# Altium PCB WhiteRHINO_0v1.PcbDoc (part 6 of 10) (continued)
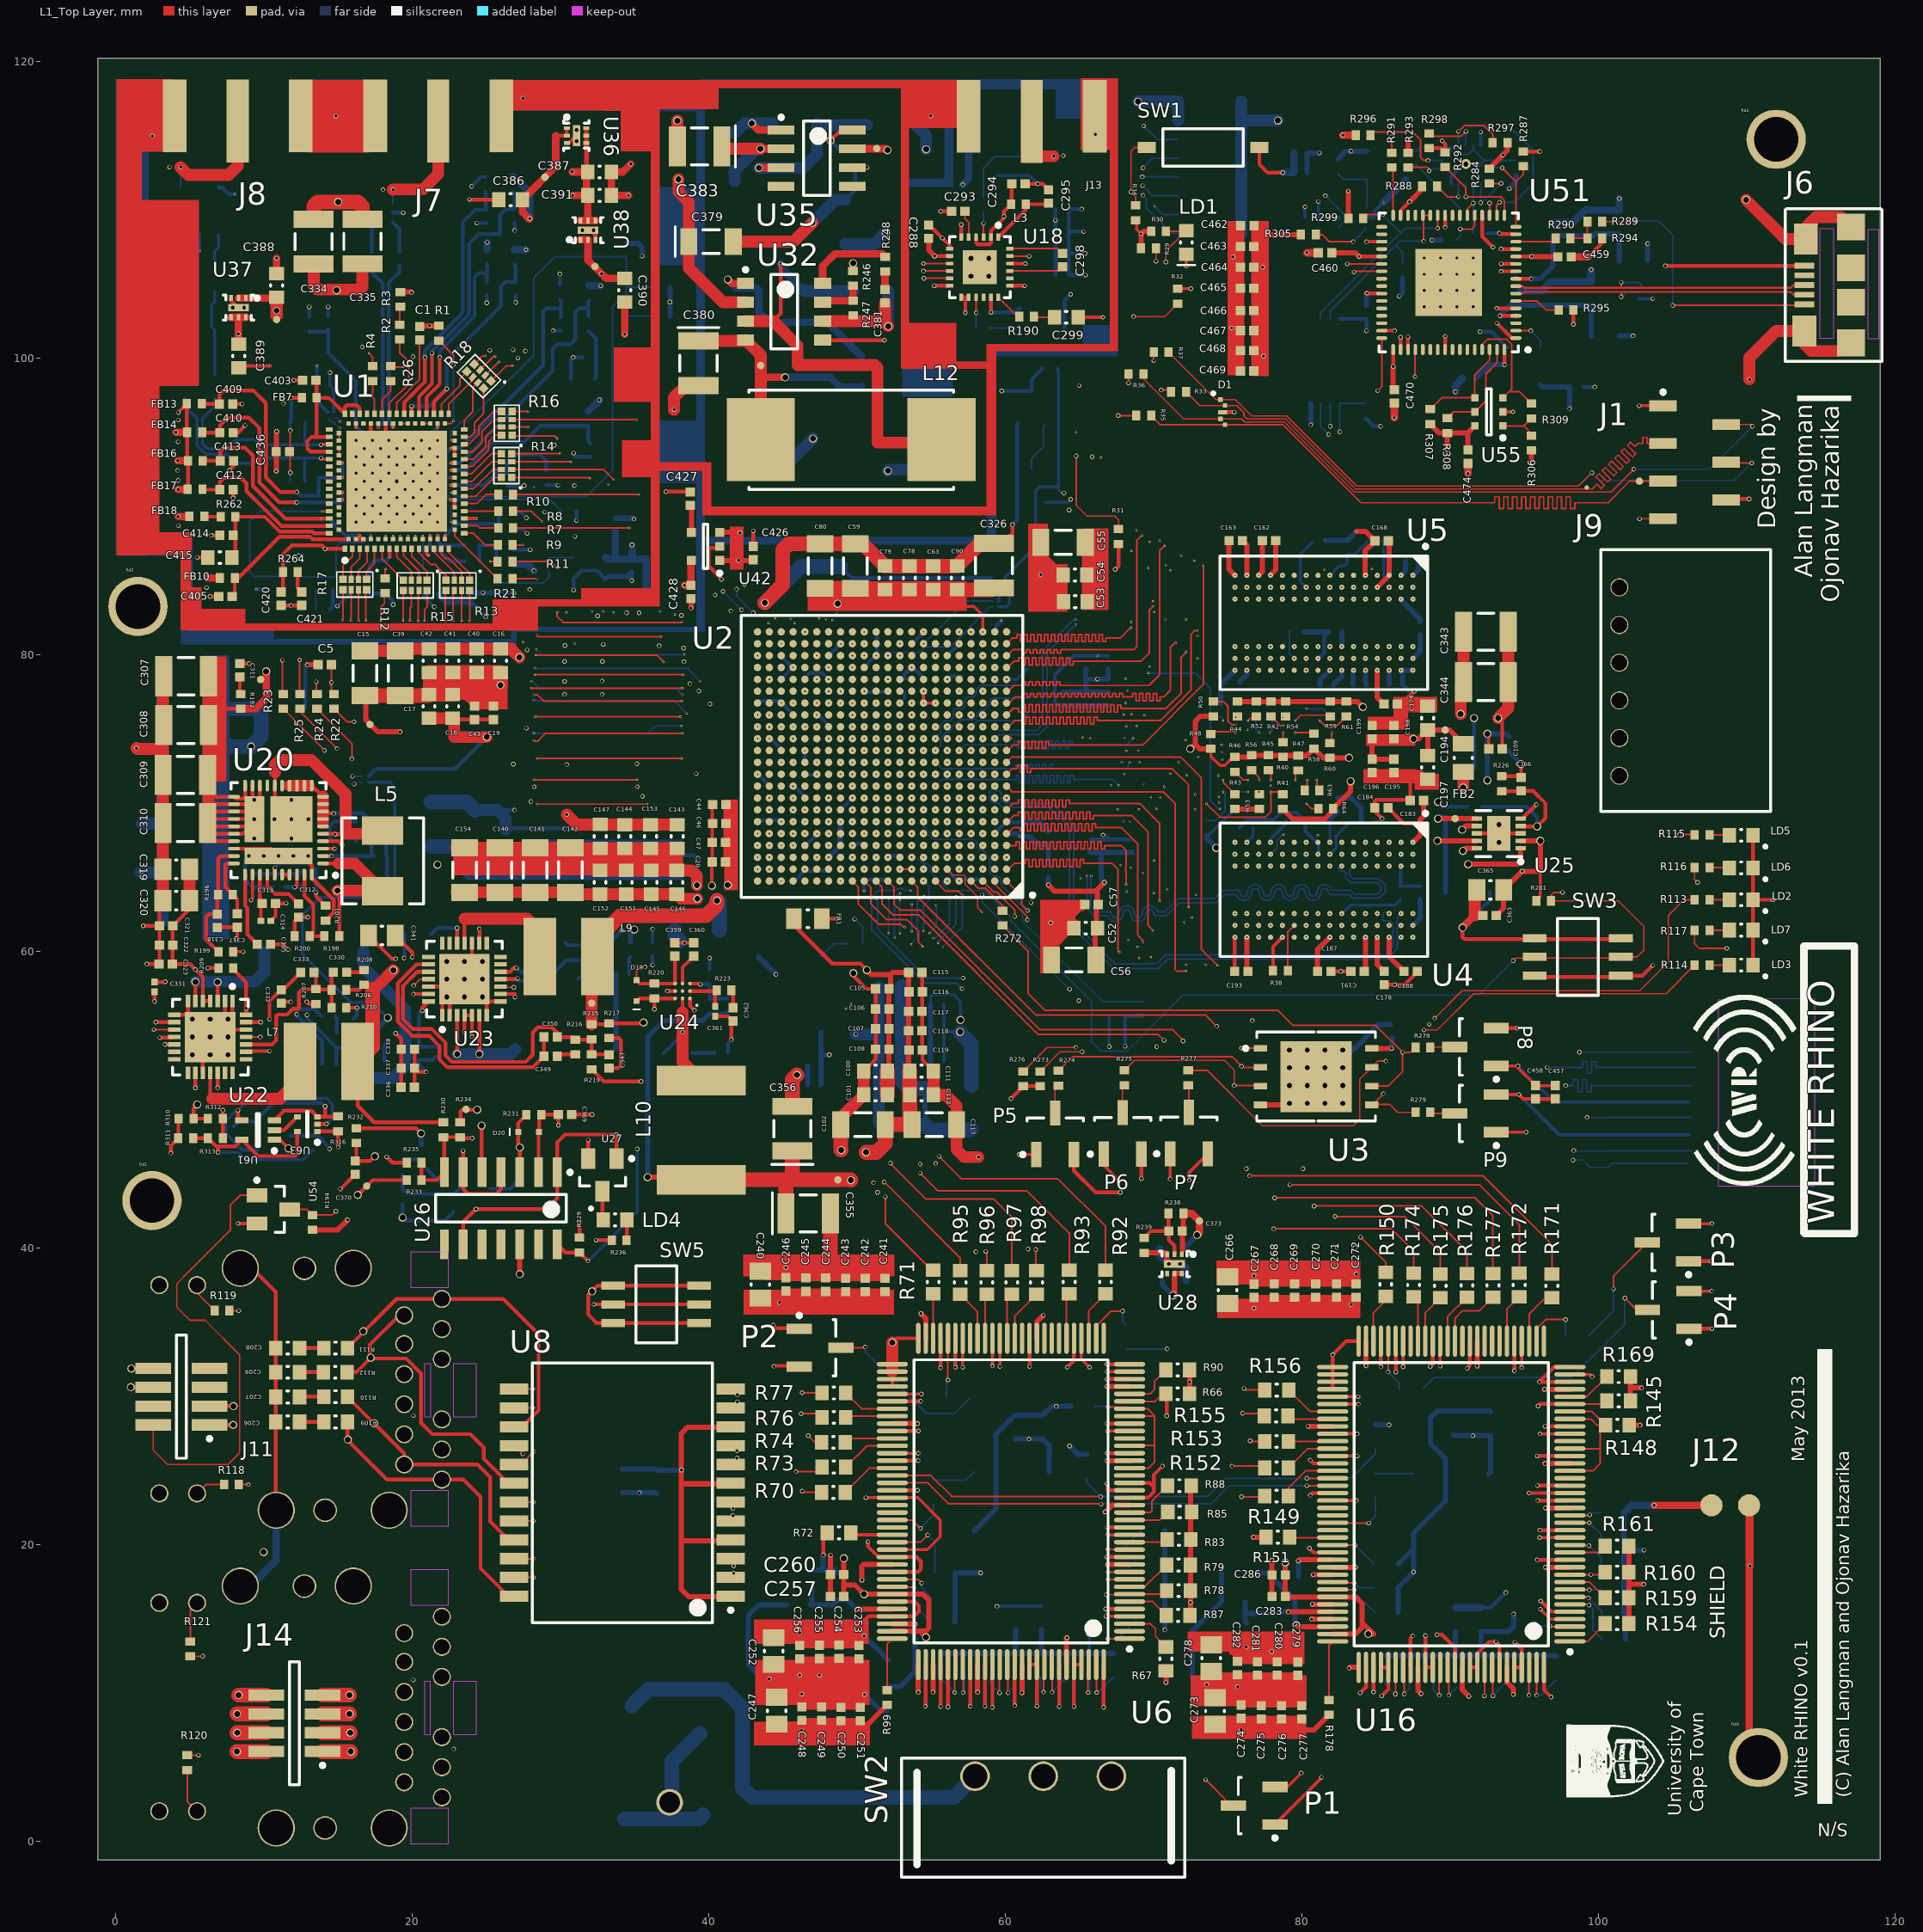
[diagram p0: L1_Top Layer view]
## Nets (pads, with @x,y where several pads share a name; then routed paths per layer and width w, separated by ;. In a path a pad name is that pad's centre, name@x,y a point inside that pad or via, vN(x,y) a via of type N, cw(c..) or ccw(c..) an arc to the next point about the centre after c; other vN are vias at no path point) (continued)
  L1_Top Layer w0.5: v3(2.5,114.95) 2.5,115.398 1.599,116.299 J8.G@4,116.299 ; C388.1@10.875,105.675 v2(10.875,106.7) ; J8.G@12.5,116.299 v3(14.875,116.299) J7.G@17.525,116.299 ; v12(18.981,91.662) v6(21.731,88.912) ; J7.G@26.025,116.299 27.226,117.5 v3(27.475,117.5) ; v2(34.35,101.575) C390.1@34.35,103.75 ; v2(34.6,110.95) C391.1@33.45,110.95 C387.1@33.45,112.525 34.225,112.525 v2(34.75,113.05) ; 56.35,116.299 v3(54.999,116.299) 55.024,116.274 J13.G@57.55,116.274 ; J13.G@66.05,115.099 J13.G@66.05,116.274 ; C469.1@75.875,99.1 75.882,99.107 C462.1@75.882,108.905 ; v2(80.35,107.075) C460.1@81.125,107.075 ; v2(82.775,115) R296.1@83.65,115 ; v2(86.25,95.95) C470.1@86.25,96.95 ; v4(90.85,61.575) 91.675,62.4 C363.1@92.225,62.4 ; v2(91.225,92.2) C474.1@91.225,92.875 ; C459.1@98.175,106.8 v2(99.325,106.8) ; v3(103.775,22.625) J12.2@107.635,22.625
  L1_Top Layer w0.8: v3(1.425,73.675) 1.475,73.625 3.2,73.625 ; C320.1@3.2,63.4 C319.1@3.2,65.497 ; C319.1@3.201,65.498 C319.1@3.2,65.497 ; C307.1@3.275,78.525 3.2,78.45 3.2,73.625 ; U20.14@11.75,71.15 U20.13@12.25,71.15 U20.12@12.75,71.15 13.05,71.15 12.975,71.15 ; C334.1@13.375,106.325 13.375,104.825 13.6,104.6 16.5,104.6 16.661,104.761 C335.1@16.661,106.333 ; 14,68.65 U20.7@14,68.9 U20.8@14,69.4 U20.9@14,69.9 U20.10@14,70.4 ; C15.1@16.825,80.225 C39.1@19.2,80.225 19.35,80.375 C16.1@25.975,80.375 26.725,80.375 26.725,80.325 v4(27.25,79.8) ; C17.1@21.15,75.7 C18.1@22.75,75.7 22.85,75.6 22.85,74.425 v4(25.05,74.425) ; C154.1@23.009,63.953 C142.1@30.684,63.953 30.809,63.828 C152.1@32.686,63.828 C151.1@34.447,63.828 C145.1@36.134,63.828 C146.1@37.859,63.828 38.162,63.525 v4(39.25,63.525) ; v3(30.45,69.2) 31.125,68.525 C147.1@32.7,68.525 37.888,68.525 C143.1@37.891,68.522 ; v3(37.675,96.5) 37.675,97.325 C380.2@38.475,98.125 ; C383.2@37.9,114.25 v4(37.9,115.975) ; C379.2@41.675,107.825 45.725,107.825 v4(47,109.1) ; U32.6@47.7,102.465 51.785,102.465 51.9,102.35 ; C102.1@48.92,48.3 48.92,48.75 C101.1@50.47,50.3 C100.1@50.47,51.9 ; C381.1@51.9,103.7 51.9,102.35 ; v4(52.124,102.126) 51.9,102.35 ; U6.66@52.398,31.637 U6.65@52.398,32.137 v4(52.398,33.602) ; C111.1@55.175,51.9 C112.1@55.175,50.3 56,50.3 56.725,49.575 C113.1@56.725,48.3 56.725,46.625 57.25,46.1 v3(58.2,46.1) ; C278.1@73.9,13.225 75.175,13.225 75.675,12.725 ; 91.675,62.4 91.675,63.975 C365.1@91.825,64.125 ; v4(93.25,75.7) 93.925,76.375 C344.1@93.925,78.125 C343.1@93.925,81.525 ; C319.1@3.2,65.497 3.2,73.625
  L1_Top Layer w1: v9(8.195,6.02) J14.2@10.175,6.02 ; v9(8.215,7.29) J14.4@10.175,7.29 ; v9(8.215,8.56) J14.6@10.175,8.56 ; v9(8.32,9.83) J14.8@10.175,9.83 ; v4(43.8,83.475) 45,84.675 45,87.025 45.425,87.45 C80.1@47.525,87.45 C59.1@49.9,87.45 50.4,87.45 C79.1@51.9,85.95 C78.1@53.55,85.95 C63.1@55.15,85.95 C90.1@56.775,85.95 58.3,87.475 C326.1@59.25,87.475 ; C356.2@45.65,49.525 45.65,51.325 v4(45.962,51.638) ; 48.225,38.95 C355.2@48.225,42.3 ; C102.1@48.92,48.3 48.92,46.605 v14(48.95,46.575)
  L3_Critical w0.254: v2@44.303,34.7 v2(44.374,34.771)
  L7_Non-Critical w0.254: v2(78.725,112.475) 78.725,112.042 83.319,107.448 83.785,107.448 84.777,106.456 84.777,104.923 90.552,99.148 93.831,99.148 93.833,99.15 102.625,99.15 102.625,99.1 110.175,91.55 v8(110.175,90.475)
  L12_Bottom Layer w0.115: v1(57.704,75.114) 57.739,75.114 58.15,75.525 61.025,75.525 R271.1@61.55,76.05
  L12_Bottom Layer w0.2: C297.1@59.45,112.275 61.65,112.275 v2(62.2,111.725)
  L12_Bottom Layer w0.254: v3(2.5,114.95) 2.642,114.95 J8.G@3.991,116.299 ; v1(5.675,107.2) U46.2@5.675,108.31 ; U46.6@6.945,111.49 7.185,111.49 7.65,111.025 v1(8.075,111.025) ; R315.1@7.975,48.175 8.3,48.5 U62.S@9.6,48.5 9.6,48.7 10.648,49.748 13.927,49.748 v2(14.15,49.525) ; v11(9,66.41) 8.763,66.173 8.763,64.796 9.259,64.3 C315.1@9.3,64.3 C316.2@10.575,64.3 ; v1(9.5,84.4) 10.15,84.4 C2.1@10.2,84.35 ; J8.G@12.5,116.299 v3(14.875,116.299) J7.G@17.516,116.299 ; C353.2@12.825,76.325 12.825,79.175 v2(12.95,79.3) ; v5(13.6,99.45) 13.6,98.125 C485.1@13.575,98.1 13.575,97.075 U56.A2@14.325,96.325 ; C407.1@14.35,102.8 v2(14.35,103.425) ; R20.1@14.5,83.025 R20.1@14.675,83.2 ; C4.1@14.675,84.325 R20.1@14.675,83.2 ; v2(14.725,69.275) 14.752,69.302 16.673,69.302 R195.1@17.225,68.75 ; C425.1@15.923,84.2 v2(14.975,83.252) 14.727,83.252 R20.1@14.675,83.2 ; R204.1@16.05,55.425 16.3,55.675 v2(16.3,56.175) ; U58.A2@17.075,71.775 17.575,72.275 C487.1@18.525,72.275 22.9,72.275 v4(25.05,74.425) ; U40.2@18.72,109.775 v2(19.425,109.775) ; R228.1@19.375,42.925 v4(19.375,42.025) 19.577,41.823 22.223,41.823 D22.1@22.8,42.4 ; v2(19.475,59.525) 19.5,59.55 C340.1@19.5,61.15 ; C431.2@20.85,84.075 20.85,83.85 v2(21.5,83.2) ; v2(20.95,51.85) 20.475,52.325 R218.2@20.475,52.65 21.38,52.65 C348.1@21.625,52.895 ; C14.1@23.75,64.025 C13.1@25.135,64.025 C12.1@26.5,64.025 27.781,64.025 C139.1@27.784,64.022 C138.1@29.084,64.022 C124.1@30.384,64.022 38.128,64.022 C155.1@38.175,63.975 38.625,63.525 v4(39.25,63.525) ; v2(24.375,109.075) C423.2@25,109.075 ; v2(25.05,103.7) C424.1@25.05,104.225 ; 25.775,69.5 v3(26.925,69.5) ; U43.5@25.925,84.15 v2(26.875,84.15) ; J7.G@26.025,116.299 26.274,116.299 v3(27.475,117.5) ; C9.1@26.325,68.2 26.403,68.278 C126.1@27.816,68.278 C127.1@29.116,68.278 C128.1@30.391,68.278 C134.1@31.666,68.278 C135.1@32.941,68.278 C136.1@34.266,68.278 C137.1@35.541,68.278 38.141,68.278 C123.1@38.166,68.303 ; C417.1@26.45,91.35 27.55,91.35 v2(27.575,91.375) ; C406.2@26.6,87.275 26.825,87.05 v2(27.975,87.05) ; C422.1@26.8,89.625 27.3,89.625 v2(27.725,89.2) ; v2(26.925,108.575) C411.1@26.925,109.1 ; v2(27,103.725) C404.2@27,104.225 ; v2(29.525,101.825) C418.1@30.05,101.825 ; C419.1@30.725,98.575 30.725,99.875 v2(30.875,100.025) C416.2@31.5,100.025 ; v2(30.9,84.325) U44.3@30.9,85.063 30.9,85.1 31.45,85.65 32.462,85.65 U44.1@33.05,85.063 ; v2(30.9,93.575) 30.9,93.475 31.05,93.325 C408.2@32.025,93.325 ; R213.1@32.575,60.375 33.125,60.375 v2(34.15,61.4) ; v2(36.225,59.05) C354.1@36.225,59.675 ; R224.1@40.075,58.75 v2(40.075,59.525) ; C358.1@41.3,53.15 41.3,53.775 v2(41.55,54.025) ; C24.1@43.3,68.825 44.8,68.825 v1(44.9,68.725) ; C45.1@43.3,76.85 44.775,76.85 v1(44.911,76.714) 44.961,76.714 C27.1@45.7,75.975 ; v1(43.318,71.9) 43.375,71.9 C48.1@44.075,71.2 ; v1(44.104,74.304) 44.221,74.304 C22.1@44.9,73.625 ; C75.1@44.95,79.825 45.661,79.114 v1(45.704,79.114) 45,78.41 C81.1@45,78.325 ; v1(45.7,71.1) 45.8,71.1 C21.1@46.5,70.4 ; C49.1@45.8,64.7 46.504,65.404 ; C26.1@46.5,72.825 v1(46.5,73.5) ; C69.1@46.5,78.425 46.825,78.75 47.675,78.75 v1(48.104,78.321) ; v1(46.504,65.514) 46.504,65.404 ; C50.1@46.575,67.125 47.325,67.875 v1(47.325,67.9) ; v1(47.314,75.914) 47.411,75.914 C51.1@48.1,75.225 ; C23.1@48.1,65.4 46.508,65.4 46.504,65.404 ; C67.1@48.125,79.925 48.9,80.7 v1(48.925,80.7) ; C25.1@48.875,69.6 48.99,69.6 v1(49.704,70.314) ; C89.1@48.9,85.925 49.675,85.15 C91.1@50.325,85.15 C70.1@55.475,85.15 C486.1@59.05,85.15 59.05,84.75 59.575,84.225 U57.A2@59.575,83.6 ; v1(48.911,64.714) 49,64.625 ; C384.2@49.225,110.65 49.9,111.325 C385.1@49.9,113.025 ; v1(49.704,67.114) 49.822,67.232 C92.1@50.607,67.232 ; v1(50.5,64.05) C98.1@50.5,64.625 50.675,64.8 C95.1@52.025,64.8 ; v1(50.511,77.514) 50.575,77.45 C93.1@52.1,77.45 ; C73.1@50.6,79.125 50.6,79.25 51.375,80.025 C82.1@51.375,81.6 ; v1(52.104,66.314) 52.222,66.432 C97.1@53.057,66.432 ; C96.1@53.225,78.35 53.225,78.65 v1(53.7,79.125) 53.8,79.125 C72.1@54.5,78.425 ; C94.1@53.75,80.725 54.5,81.475 v1(54.5,81.525) ; C65.1@55.875,52.575 55.875,54.55 ; C83.1@55.875,56.387 C84.1@55.875,55.12 55.875,54.55 ; C71.1@56.1,65.425 56.725,64.8 56.9,64.8 56.925,64.825 C99.1@58.35,64.825 ; v1(56.104,78.314) 56.297,78.507 C68.1@57.082,78.507 ; C76.1@56.2,79.9 56.2,80.01 v1(56.904,80.714) ; v4(56.975,54.55) 55.875,54.55 ; C74.1@59.4,81.525 59.4,81.925 v1(59.75,82.275) ; v3(59.45,15.82) 59.455,15.825 C203.1@60.7,15.825 C202.1@62.45,15.825 ; v3(60.5,88.75) 60.825,89.075 U33.S@60.825,90.25 60.825,95.525 U34.S@60.85,95.55 ; C289.1@63.4,105.575 C290.1@63.4,107.025 C291.1@63.4,108.5 v2(63.4,109.25) C292.2@63.4,110.025 ; C33.1@63.894,76.553 63.847,76.6 63.475,76.6 63.35,76.725 63.35,78.625 64.628,79.903 C37.1@65.484,79.903 v1(66.225,79.903) C36.1@66.934,79.903 ; U19.2@64.015,102.005 U19.1@64.015,103.345 64.015,103.865 v2(64.425,104.275) ; C38.1@65.759,67.528 C35.1@67.018,67.528 ; v3(66.6,67.825) 66.726,67.825 67.018,67.533 67.204,67.533 C35.1@67.209,67.528 C58.1@68.609,67.528 ; v2(68.1,53.575) 68.1,55.6 69.2,55.6 C456.2@69.275,55.675 ; C186.1@75.825,68.3 75.825,68.341 76.321,68.837 78.013,68.837 C185.1@78.075,68.775 78.075,68.816 78.571,69.312 79.688,69.312 C159.1@80.25,68.75 80.25,68.08 81.15,67.18 C181.1@81.15,66.575 ; C473.1@80.225,109.5 v2(80.225,110.175) ; C175.1@81.175,79.75 81.502,80.077 81.502,81.152 C177.1@81.85,81.5 ; U52.4@82.575,102.625 C471.1@84.375,102.625 v2(84.375,101.8) ; R301.1@84.325,95.9 84.85,95.375 v2(85.325,95.375) ; U53.2@84.35,109.425 84.825,109.425 84.911,109.511 84.911,109.864 v5(85.501,110.455) ; C180.1@84.925,68.675 85.175,68.675 v3(85.425,68.925) ; C179.1@86.7,65.625 86.675,65.6 C189.1@86.675,64.375 C190.1@88,64.375 ; C176.1@86.8,77.975 87.25,77.525 v3(87.6,77.525) ; U49.7@90.075,111.75 90.075,112.225 90.9,113.05 v7(91.075,113.05) ; v4(90.85,61.575) 92.7,63.425 C364.1@92.7,63.975 ; C367.1@91.625,72.325 C368.1@91.625,73.6 v4(91.625,75.7) ; v2(92.025,101.75) 92.795,101.75 U50.2@93.85,100.695 ; C264.1@92.1,15.725 92.75,15.725 v3(93.775,16.75) ; R286.2@92.5,108.4 v2(93.325,108.4) ; C110.1@93.975,73.55 93.975,73.425 v4(94.8,72.6) ; v2(94.655,50.32) 97.36,47.615 J5.6@106.1,47.615 ; C472.1@98.975,98.025 v2(99.775,98.025) ; D29.G@102.825,103.975 v2(103.675,103.975)
  L12_Bottom Layer w0.35: U43.2@23.725,84.15 v2(24.8,84.15) U43.5@25.925,84.15 ; U44.1@33.225,85.238 34.537,85.238 C432.1@34.825,85.525 v2(34.825,84.975) ; C429.1@33.725,89.175 34.925,89.175 v2(34.975,89.125) ; C205.1@34.2,23.475 v2(35.35,23.475) 36.425,23.475 C204.1@36.5,23.4 ; C6.1@34.45,107.7 35.25,107.7 35.525,107.425 v2(35.525,106.85) ; R28.1@37.4,102.8 v2(37.4,103.75) C8.1@37.4,104.75 ; U48.2@43.375,59.615 44.565,58.425 v2(44.55,58.425) ; v4(45.962,51.638) 46.675,51.638 ; C454.1@46.675,52.275 46.675,51.638 ; C455.1@46.7,50.975 46.675,51 46.675,51.638 ; C259.1@46.975,18.275 47.738,18.275 ; v2(47.75,19.275) 47.738,19.263 47.738,18.275 ; C258.1@48.725,18.05 48.5,18.275 47.738,18.275 ; v2(50.5,13.825) C261.1@52.125,12.2 ; R89.1@56.6,14.75 56.625,14.775 R94.1@56.625,16.4 R91.1@56.625,18.05 ; R91.1@56.875,18.075 v2(58.35,18.075) ; U7.2@57.908,20.887 59.375,22.354 59.375,27.4 C200.1@60.675,28.7 C201.2@62.55,28.7 63.15,29.3 v2(63.45,29.3) R69.1@64.425,29.3 ; C28.1@60.15,67.925 60.8,67.925 v1(61,67.725) 61.65,67.725 62.174,67.2 62.9,67.2 62.925,67.175 C34.1@62.925,65.85 ; C33.1@63.91,76.55 65.45,76.55 C31.1@66.95,76.55 ; R65.2@74.55,76.675 74.55,77.971 v1(75.504,78.925) ; v2(76.275,13.05) C285.1@76.275,13.8 77.7,13.8 C284.1@77.975,13.525 v2(77.975,12.775) ; C287.1@79.774,17.798 v2(79.774,18.874) ; R39.1@80.175,81.5 C177.1@81.85,81.5 ; C164.1@81.625,87.675 83.025,87.675 C161.1@83.05,87.65 v1(83.7,88.3) ; C171.1@82.15,77.95 82.704,78.504 v1(82.704,78.925) ; v7(82.775,53.325) 83.475,53.325 85.2,55.05 C157.1@86,55.05 ; C172.1@83.475,77.95 83.475,78.896 v1(83.504,78.925) ; R170.1@86.5,18.65 87.555,19.705 ; R168.1@86.525,15.4 86.525,17.05 R173.1@86.5,17.075 v2(87.555,18.13) 87.555,19.705 ; C167.1@86.7,83.675 88,82.375 C170.1@88,82.2 ; v1(86.704,85.325) 87,85.621 C169.1@87,86.275 ; C176.1@86.8,77.975 86.8,78.829 v1(86.704,78.925) v1(87.504,78.925) ; C263.2@92.732,28.925 92.682,28.975 C262.1@90.225,28.975 89.125,28.975 88.675,28.525 88.675,26.8 89.7,25.775 89.7,22.903 U17.2@87.555,20.758 87.555,19.705 ; R167.1@101.725,22.125 101.725,19.6 ; R162.2@101.85,13.6 R157.1@101.85,15.25 101.725,15.375 101.725,19.6 ; v2(103.1,19.6) 101.725,19.6
  L12_Bottom Layer w0.5: v3(57.15,111.675) 57.541,112.066 J13.G@57.541,116.274 ; J13.G@66.05,116.274 66.05,115.099 v3(66.1,115.049) ; C371.1@70.425,39.925 70.425,39.5 v12@71.035,38.89 ; v12@71.806,38.809 72.015,38.809 72.2,38.625 C372.1@72.2,37.775 ; v2(78.725,112.475) C475.1@79.475,112.475 C476.1@79.475,113.8 ; v5@85.526,110.476 U21.3@87.025,111.975 ; C265.1@90.375,15.725 C264.1@92.1,15.725 ; v2(90.375,97.7) 90.375,98.125 C461.1@90.85,98.6 ; C484.1@94.725,104.5 C483.1@96.175,104.5 96.8,105.125 C482.1@97.775,105.125 C481.1@99.525,105.125 v2(99.525,105.925) ; C480.1@96.95,109.125 C479.1@98.3,109.125 99.125,109.95 C478.1@99.8,109.95 C477.1@101.425,109.95 v2(101.425,110.725) ; R167.1@101.75,22.125 102.25,22.625 v3(103.775,22.625)
  L12_Bottom Layer w0.8: v3(1.725,65.3) C324.2@3.175,65.3 ; v3(1.775,68.575) C301.1@3.175,68.575 C324.2@3.175,65.3 ; C301.1@3.15,68.6 C303.1@3.15,75.3 ; C303.1@3.15,76.625 C304.1@3.15,78.625 ; C339.2@3.175,62 C324.2@3.175,65.3 ; C10.1@24.25,69.5 25.775,69.5 26.325,68.95 C9.1@26.325,68.2 ; v4(47,109.1) 48.55,110.65 C384.2@49.225,110.65 ; v3(49.934,54.384) C61.1@51.458,54.384 ; C88.1@51.478,57.584 51.478,48.397 C64.1@51.6,48.275 ; v4(52.124,102.126) D26.2@52.124,104.5 ; D28.2@53.96,115.7 54.675,114.985 v4(54.675,114.05) ; J10.16@75.925,108.38 J10.15@75.925,109.65 J10.14@75.925,110.92 J10.13@75.925,112.19 J10.12@75.925,113.46 J10.11@75.925,114.73 J10.10@75.925,116 ; J10.9@75.925,117.27 J10.10@75.925,116 ; v9(78.4,116) J10.10@75.925,116
  L12_Bottom Layer w1: C351.1@21.275,70.05 23.7,70.05 C10.1@24.25,69.5 ; J4.3@34.35,1.475 39.35,1.475 J4.3@39.625,1.75 ; J4.3@37.525,1.75 37.525,5.35 J4.2@39.425,7.25 ; C352.1@37.725,61.4 37.725,61.025 C352.1@38.075,60.675 ; v4(43.8,83.475) 46.25,85.925 C89.1@48.9,85.925 ; v4@56.975,54.475 57.725,53.725 C327.1@57.725,50.95
  other v1: 77.104,60.925 82.704,60.925 83.504,60.925 86.704,60.925 87.504,60.925 81.104,61.725 82.704,61.725 84.304,61.725 85.104,61.725 56.9,64.725 54.504,65.514 86.704,65.725 44.104,66.314 60.104,66.314 81.104,66.525 84.304,66.525 57.704,67.114 82.704,67.325 84.304,67.325 55.304,67.914 52.904,68.714 52.904,69.514 58.504,69.514 48.104,70.314 51.304,70.314 54.504,70.314 56.104,70.314 50.504,71.114 52.104,71.114 53.704,71.114 49.704,71.914 51.304,71.914 52.104,71.914 52.904,71.914 54.504,71.914 59.304,71.914 48.904,72.714 50.504,72.714 51.304,72.714 52.104,72.714 53.704,72.714 56.904,72.714 49.704,73.514 51.304,73.514 52.104,73.514 52.904,73.514 54.504,73.514 50.504,74.314 51.304,74.314 52.104,74.314 53.704,74.314 49.704,75.114 51.304,75.114 52.904,75.114 54.504,75.114 50.504,75.914 52.104,75.914 53.704,75.914 58.504,77.514 77.104,78.925 78.704,78.925 81.104,79.725 82.704,79.725 84.304,79.725 85.104,79.725 59.304,79.914 86.704,83.725 81.104,84.525 84.304,84.525 78.704,85.325 82.704,85.325 85.104,85.325
  other v2: 75.275,102
  other v3: 58.025,39.725 61.55,39.9 82.4,40 83.6,40 51.4,43.725 51.125,44.375 76.275,45.325 80.1,45.325 54.275,45.625 55.325,45.675 70.225,53.55 76.675,55.3 28.025,70.075 35.55,70.425 28.25,71.075 35.2,71.075 39.175,71.95 30.45,72.575 26.85,72.6 35.175,72.625 27.725,75.025 40.1,76.65 30.3,77.3 32.825,77.3 39.35,77.525 38.75,78.025 30.3,78.175 32.825,78.2 38.35,79.5 30.3,79.525 32.85,79.525 27.775,80.3 38.325,80.425 36.675,80.575 30.325,80.6 32.9,80.675 32.525,82.6 38.175,82.625 34.475,82.8 35.325,82.8 41.5,82.925 40.45,84 27.95,84.375 42.425,84.7 12.35,86.65 31,87.95 28.95,89.6 64.325,89.725 30.95,91.375 29.6,94.1 20.075,100.075 27.65,100.45 25.25,100.5 26.825,100.525 16.65,100.725
  other v4: 14.925,104.55
  other v5: 72.2,59.05 73.525,59.05 69.05,59.525 68.325,60.7 72.1,61.925 70.028,63.898 68.2,64.025 65.1,64.925 70.05,66.1 75.504,67.325 77.104,67.325 78.704,67.325 85.104,67.325 86.704,67.325 67.6,69.55 72.825,69.55 72.825,70.55 77.925,71.15 67.125,71.175 67.875,72.7 68.175,73.5 65.75,74.325 68.025,74.325 76.35,74.925 68.175,75.15 68,75.925 68.125,78.35 69.75,79.175 72.975,79.725 68.5,82.175 70.8,82.35 69.975,83.575 69.65,85.825 70.85,85.975 69.75,87.575
  other v6: 16.231,88.912 17.331,88.912 18.431,88.912 19.531,88.912 20.631,88.912 16.781,89.462 17.881,89.462 18.981,89.462 20.081,89.462 21.181,89.462 16.231,90.012 17.331,90.012 18.431,90.012 19.531,90.012 20.631,90.012 21.731,90.012 16.781,90.562 17.881,90.562 18.981,90.562 20.081,90.562 21.181,90.562 16.231,91.112 17.331,91.112 18.431,91.112 19.531,91.112 20.631,91.112 21.731,91.112 16.781,91.662 17.881,91.662 18.981,91.662 20.081,91.662 21.181,91.662 16.231,92.212 17.331,92.212 18.431,92.212 19.531,92.212 20.631,92.212 21.731,92.212 16.781,92.762 17.881,92.762 18.981,92.762 20.081,92.762 21.181,92.762 16.231,93.312 17.331,93.312 18.431,93.312 19.531,93.312 20.631,93.312 21.731,93.312 16.781,93.862 17.881,93.862 18.981,93.862 20.081,93.862 21.181,93.862 16.231,94.412 17.331,94.412 18.431,94.412 19.531,94.412 20.631,94.412 21.731,94.412
  other v7: 80.375,49.725 81.575,49.725 82.775,49.725 79.175,50.925 81.575,50.925 82.775,50.925 79.175,52.125 80.375,52.125 81.575,52.125 82.775,52.125 5.2,53 6.4,53 7.6,53 79.175,53.325 80.375,53.325 81.575,53.325 5.2,54.2 7.6,54.2 6.4,55.4 23.55,56.9 22.35,58.1 24.75,58.1 22.35,59.3 23.55,59.3 24.75,59.3 93.3,67.325 93.3,68.525 57.7,105.5 58.9,105.5 57.7,106.7 58.9,106.7
  other v10: 88.275,103.425 89.375,103.425 90.475,103.425 91.575,103.425 88.275,104.525 89.375,104.525 90.475,104.525 91.575,104.525 88.275,105.625 89.375,105.625 90.475,105.625 91.575,105.625 88.275,106.725 89.375,106.725 90.475,106.725 91.575,106.725
  other v11: 10,66.41 12,66.41 13,66.41
  other v12: 71.044,38.9 71.806,38.9 7.925,103.375 8.687,103.375 31.494,108.6 32.256,108.6 31.1,114.594 31.1,115.356
HMC_VCTL: J10.4 U2.B15 | length 60.2
  L9_Critical w0.115: v5(48.35,82.3) 48.55,82.1 48.55,65.868 v5(48.904,65.514)
  L7_Non-Critical w0.1: v5(48.35,82.3) 48.7,81.95 50.395,81.95 51.129,82.684 51.129,85.648 68.375,102.894 68.375,102.899 69,103.524 69,107.75 69.3,108.05 69.525,108.276 69.525,109.001 69.8,109.276 69.8,111.65 v3(69.25,112.2)
  L12_Bottom Layer w0.115: v3(69.25,112.2) 69.26,112.19 J10.4@71.675,112.19
I2C_EN: R291.2 R301.2 U2.Y10 U52.5 | length 66.2
  L1_Top Layer w0.115: R291.2@86.075,113.825 v2(86.075,114.9)
  L3_Critical w0.115: v2(82.575,95) 82.575,95.792 84.85,98.067 84.85,114.275 85.525,114.95 v2@86.075,114.95
  L4_Critical w0.115: v1(52.904,79.914) 53.315,80.325 53.325,80.325 53.325,87 60.275,93.95 81.525,93.95 v2(82.575,95)
  L12_Bottom Layer w0.115: v2(82.575,95) U52.5@82.575,96.925 R301.2@84.25,96.925
I2C_SCL: R299.1 U51.26 U52.2 | length 14.7
  L1_Top Layer w0.115: R299.1@84.15,109.4 84.4,109.65 v2(85.45,109.65) ; v2(89.175,108.725) U51.26@89.175,109.6
  L12_Bottom Layer w0.115: U52.2@81.275,102.625 81.275,103.023 86.675,108.423 ; v2(85.45,109.65) 86.675,108.425 86.675,108.423 ; v2(89.175,108.725) 86.977,108.725 86.675,108.423
I2C_SDA: R300.1 U51.27 U51.28 U52.3 | length 12.5
  L1_Top Layer w0.115: v2(88.225,107.85) 88.225,109.55 U51.28@88.175,109.6 U51.27@88.675,109.6
  L12_Bottom Layer w0.115: U52.3@81.925,102.625 81.925,103.15 86.35,107.575 ; R300.1@86.8,106.35 86.8,107.125 86.35,107.575 ; v2(88.225,107.85) 86.625,107.85 86.35,107.575
INTERRUPT: R67.1 U6.3 | length 3.4
  L1_Top Layer w0.115: U6.3@68.398,14.637 69.813,14.637 70.15,14.3 70.15,13.775 R67.1@70.85,13.075
JTAG_HEAD_PROG_RST: J1.7 R305.1 U53.3 | length 33.7
  L1_Top Layer w0.1: v8(102.785,89.14) J1.7@104.375,89.14
  L1_Top Layer w0.115: R305.1@80.95,108.3 81.4,108.3 81.875,107.825 v2(83.475,107.825)
  L9_Critical w0.1: v2(83.475,107.825) 87.175,104.125 87.175,103.05 87.992,102.233 90.442,102.233 102.785,89.89 v8(102.785,89.14)
  L12_Bottom Layer w0.115: v2(83.475,107.825) 84.35,108.7 U53.3@84.35,108.775
JTAG_HEAD_TCLK: D1.4 J1.3 pad.@99.225,91.25 R33.1 | length 46.7
  L1_Top Layer w0.1: R33.1@72.2,97.7 73.125,96.775 D1.4@74.825,96.775 75.625,96.775 76.1,96.3 76.1,96.1 76.325,95.875 78.916,95.875 83.641,91.15 99.6,91.15 99.918,91.468 100.201,91.185 100.413,91.397 99.847,91.963 100.06,92.175 100.342,91.892 100.625,91.61 100.837,91.822 100.272,92.387 100.484,92.6 101.05,92.034 101.262,92.246 100.979,92.529 100.696,92.812 100.908,93.024 101.474,92.458 101.686,92.67 101.12,93.236 101.332,93.448 101.615,93.165 101.898,92.882 102.11,93.095 101.545,93.66 101.757,93.872 102.04,93.59 102.322,93.307 102.534,93.519 101.969,94.084 102.181,94.297 102.464,94.014 102.67,94.22 103,94.22 103,94.62 103.3,94.62 103.3,94.22 J1.3@104.375,94.22
JTAG_HEAD_TDI: D1.3 J1.5 pad.@102.775,91.68 R35.1 | length 52
  L1_Top Layer w0.1: R35.1@69.85,96.1 70.475,95.475 D1.3@74.825,95.475 78.75,95.475 84,90.225 93.025,90.225 93.025,90.625 93.325,90.625 93.325,89.825 93.625,89.825 93.625,90.625 93.925,90.625 93.925,89.825 94.225,89.825 94.225,90.625 94.525,90.625 94.525,89.825 94.825,89.825 94.825,90.625 95.125,90.625 95.125,89.825 95.425,89.825 95.425,90.625 95.725,90.625 95.725,89.825 96.025,89.825 96.025,90.625 96.325,90.625 96.325,89.825 96.625,89.825 96.625,90.625 96.925,90.625 96.925,89.825 97.225,89.825 97.225,90.625 97.525,90.625 97.525,89.825 97.825,89.825 97.825,90.625 98.125,90.625 98.125,89.825 98.425,89.825 98.425,90.225 100.675,90.225 102.13,91.68 J1.5@104.375,91.68
JTAG_HEAD_TDO: D1.1 J1.4 R37.1 | length 45.9
  L1_Top Layer w0.1: R37.1@71.025,100.375 74.225,97.175 D1.1@74.525,97.175 75.525,97.175 76.625,96.075 78.999,96.075 83.724,91.35 98.675,91.35 v8(99.575,92.25) ; J1.4@108.625,92.95 108.675,92.9 v8(110.35,92.9)
  L12_Bottom Layer w0.1: v8(99.575,92.25) 100.1,91.725 109.175,91.725 v8(110.35,92.9)
JTAG_HEAD_TMS: D1.2 J1.2 R36.1 | length 48.2
  L1_Top Layer w0.1: R36.1@69.325,98.9 69.325,98.601 72.051,95.875 D1.2@74.525,95.875 75.95,95.875 76.15,95.675 78.833,95.675 83.558,90.95 100.875,90.95 v8(102.4,92.475) ; J1.2@108.625,95.49 110.285,95.49 v8(110.4,95.375)
  L12_Bottom Layer w0.1: v8(102.4,92.475) 107.5,92.475 v8(110.4,95.375)
JTAG_PHY_3V3: C481.2 C482.2 C483.2 C484.2 FB28.2 U51.4 | length 9.6
  L1_Top Layer w0.254: v2(93.375,102.825) U51.4@94.45,102.825
  L12_Bottom Layer w0.35: v2(93.375,102.825) 94.15,103.6 C484.2@94.725,103.6 94.8,103.525 C482.2@97.775,103.525 C481.2@99.525,103.525 FB28.2@99.525,101.475
JTAG_PLL_3V3: C477.2 C478.2 C479.2 C480.2 FB27.2 U51.9 | length 11.2
  L1_Top Layer w0.254: U51.9@94.45,105.325 v2(95.475,105.325)
  L12_Bottom Layer w0.35: v2(95.475,105.325) 96.075,105.325 96.95,106.2 C480.2@96.95,108.225 C479.2@98.3,108.225 99.675,108.225 C478.2@99.8,108.35 C477.2@101.425,108.35 FB27.2@101.425,106.525
JTAG_TCLK: R33.2 R284.1 U2.G11 U49.3 | length 77.6
  L1_Top Layer w0.115: v2(70.525,97.825) 71.075,97.825 R33.2@71.2,97.7 ; R284.1@92.65,111.75 v2(93.45,111.75)
  L4_Critical w0.115: v1(52.104,69.514) 52.475,69.885 52.475,86.846 61.054,95.425 67.558,95.425 70.233,98.1 ; v2(70.525,97.825) 70.25,98.1 70.233,98.1 ; v2(92.075,110.45) 92.075,108.85 91.55,108.325 78.763,108.325 78.763,107.925 78.448,107.925 78.448,108.725 78.133,108.725 78.133,108.325 75.3,108.325 74.475,107.5 74.475,102.342 70.233,98.1
  L12_Bottom Layer w0.115: U49.3@92.075,111.75 v2(92.075,110.45) 92.15,110.45 v2(93.45,111.75)
JTAG_TDI: R35.2 R288.1 U2.H13 U49.6 | length 78.4
  L1_Top Layer w0.115: v2(67.625,96.1) R35.2@68.85,96.1 ; R288.1@89.125,111.55 89.825,110.85 v2(90.575,110.85)
  L3_Critical w0.115: v1(50.504,70.314) 50.9,70.71 50.9,83.75 63.275,96.125 67.6,96.125 v2(67.625,96.1)
  L4_Critical w0.115: v2(67.625,96.1) 67.65,96.125 67.954,96.125 74.255,102.426 74.255,110.38 75.407,111.532 76.482,111.532 76.482,111.932 76.797,111.932 76.797,111.132 77.113,111.132 77.113,111.932 77.428,111.932 77.428,111.132 77.743,111.132 77.743,111.532 78.373,111.532 78.373,111.132 78.688,111.132 78.688,111.932 79.003,111.932 79.003,111.532 89.892,111.532 v2(90.575,110.85)
  L12_Bottom Layer w0.115: v2(90.575,110.85) U49.6@90.575,111.75
JTAG_TDO: R37.2 R298.1 U2.G14 U49.12 | length 79.2
  L1_Top Layer w0.115: v2(70.025,99.8) R37.2@70.025,100.275 ; R298.1@88.6,115.125 88.782,114.942 90.767,114.942 v2(91.075,115.25)
  L4_Critical w0.115: v1(49.704,69.514) 50.05,69.86 50.05,86 63.429,99.379 70,99.379 ; v2(70.025,99.8) 70.025,99.404 70,99.379 ; v2@91.1,115.225 91.035,115.225 90.702,115.557 78.803,115.557 73.825,110.579 73.825,102.604 70.6,99.379 70,99.379
  L12_Bottom Layer w0.115: U49.12@91.075,114.35 v2(91.075,115.25)
JTAG_TMS: R36.2 R293.1 U2.G12 U49.8 | length 77.4
  L1_Top Layer w0.115: v2(68.325,98.3) R36.2@68.325,98.9 ; R293.1@87.175,112.825 87.2,112.85 88.475,112.85 88.6,112.725 v2(88.6,112.6)
  L4_Critical w0.115: v1(51.304,69.514) 51.65,69.86 51.65,86.325 63.104,97.779 68.35,97.779 ; v2(68.325,98.3) 68.325,97.804 68.35,97.779 ; v2(88.6,112.6) 88.6,112.725 88.525,112.8 79.348,112.8 79.348,112.4 79.033,112.4 79.033,113.2 78.718,113.2 78.718,112.8 78.403,112.8 78.403,113.2 78.088,113.2 78.088,112.4 77.773,112.4 77.773,113.2 77.458,113.2 77.458,112.8 76.35,112.8 74.04,110.49 74.04,102.515 69.304,97.779 68.35,97.779
  L12_Bottom Layer w0.115: v2(88.6,112.6) 88.725,112.725 89.45,112.725 U49.8@89.525,112.8
L1_OK_N: R194.1 U2.U5 U54.D | length 100.5
  L1_Top Layer w0.115: U54.D@11.75,42.575 12.925,42.575 R194.1@13.3,42.2 14.625,42.2 v3(14.875,42.45)
  L7_Non-Critical w0.1: v3(14.875,42.45) 16.169,42.45 21.275,47.556 21.275,48.95 21.738,49.413 22.463,49.413 27.25,54.2 27.25,55.85 28.125,56.725 28.125,60.65 27.35,61.425 27.35,69.75 26.425,70.675 14.525,70.675 13.225,71.975 13.225,74.475 14.75,76 17.075,76 17.325,75.75 26.05,75.75 26.225,75.575 28.675,75.575 29.587,76.488 39.112,76.488 39.875,77.25 56.625,77.25 v5(56.9,77.525)
LED0: R113.2 U2.C4 | length 60.8
  L1_Top Layer w0.1: v3(88.975,55.475) 90.825,57.325 102.8,57.325 104.725,59.25 104.725,62.4 105.775,63.45 R113.2@106.5,63.45
  L10_Critical w0.1: v5(57.704,66.314) 58.15,65.868 58.15,63.35 58.8,62.7 59.391,62.7 60.1,61.991 60.1,60.425 62.375,58.15 84.466,58.15 87.141,55.475 v3(88.975,55.475)
LED1: R115.2 U2.B6 | length 99.2
  L1_Top Layer w0.1: U2.B6@56.104,65.514 56.504,65.114 57.236,65.114 57.304,65.046 57.304,64.497 58.15,63.651 58.15,62.925 v5(58.45,62.625) ; v3(105.475,67.85) 106.475,67.85 R115.2@106.5,67.825
  L10_Critical w0.1: v5(58.45,62.625) 58.575,62.5 59.308,62.5 59.9,61.908 59.9,60.342 62.292,57.95 84.383,57.95 87.283,55.05 v3(88.6,55.05)
  L7_Non-Critical w0.1: v3(88.6,55.05) 89.65,55.05 90.425,54.275 90.425,46.725 93.825,43.325 106.025,43.325 106.925,44.225 106.925,56.725 112.375,62.175 112.375,66 110.525,67.85 v3(105.475,67.85)
LED2: R114.2 U2.E6 | length 61
  L1_Top Layer w0.1: v3(88.25,54.675) 89.15,54.675 91.6,57.125 104.575,57.125 R114.2@106.5,59.05
  L10_Critical w0.1: v5(56.104,67.914) 56.5,67.518 56.5,66.1 56.675,65.925 57.025,65.925 57.45,65.5 57.45,62.8 57.95,62.3 59.225,62.3 59.7,61.825 59.7,60.259 62.209,57.75 84.3,57.75 87.375,54.675 v3(88.25,54.675)